# Altium PCB PCB1.PcbDoc
Units mm, origin at the board's own origin, x right, y up, seen from the top; angles counter-clockwise.
Board outline 65 x 56 mm, 4 copper layers (Top Copper, Top Ref, Bottom Ref, Bottom Copper), stack 1.586 mm thick; 113 components, 92 nets, 468 pads, 0 vias.
Unrouted connection lines stored in the file: 295.
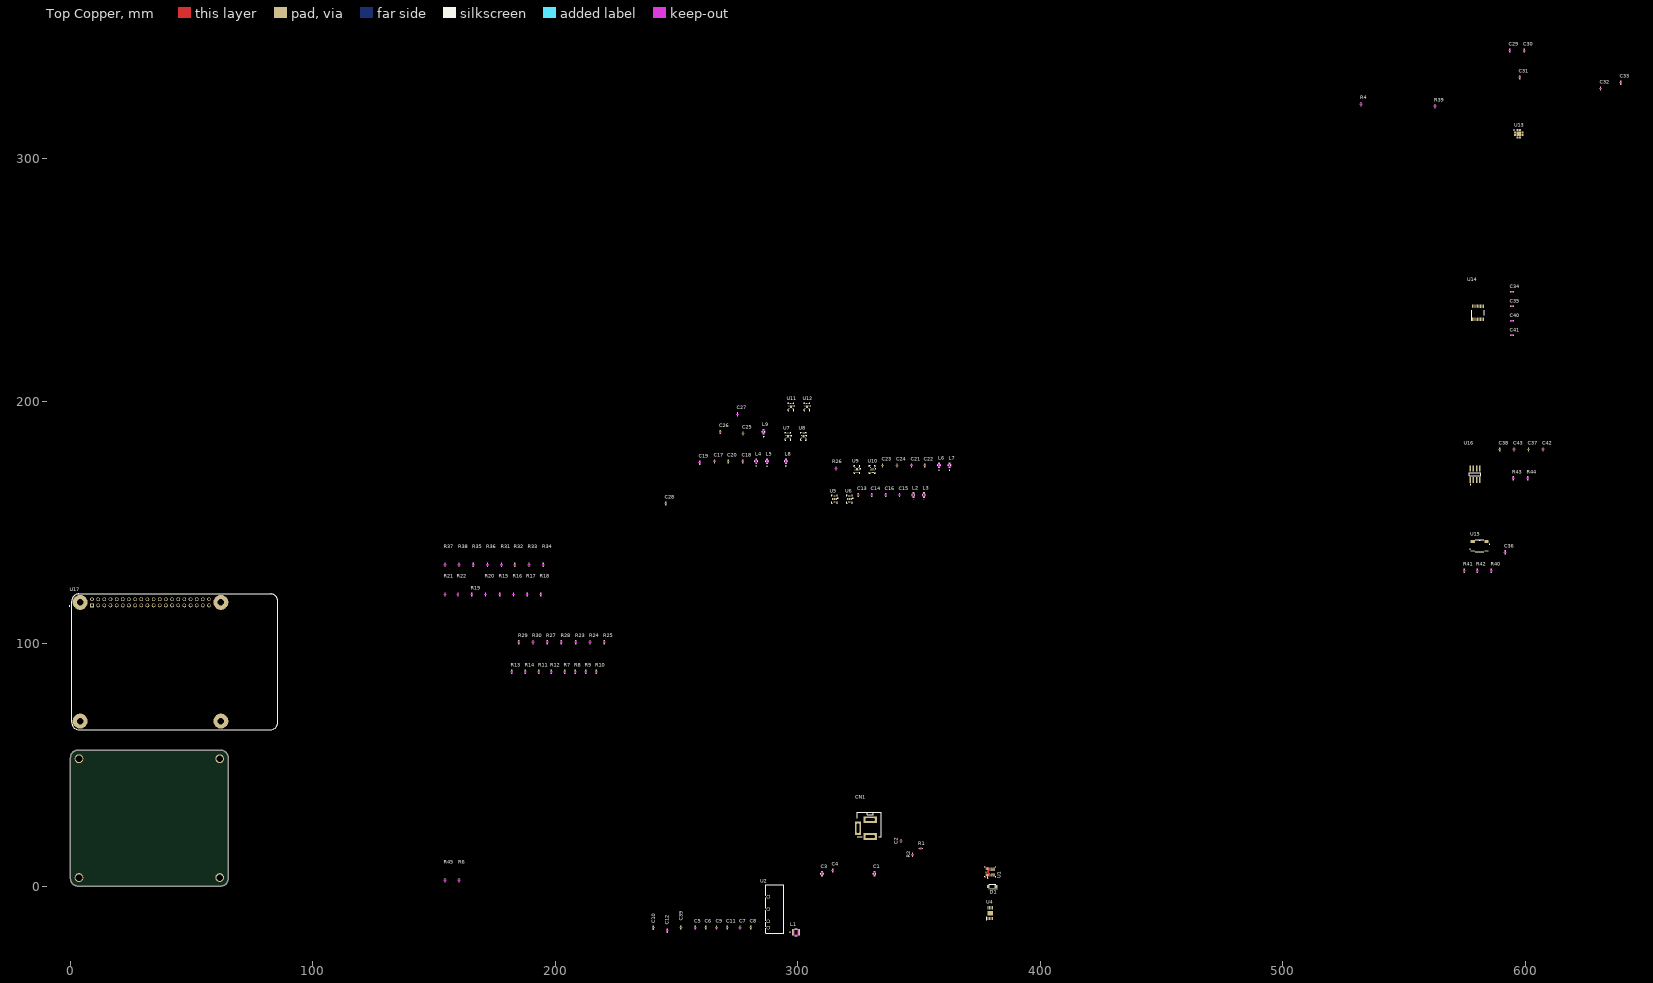
[diagram p0: Top Copper view]
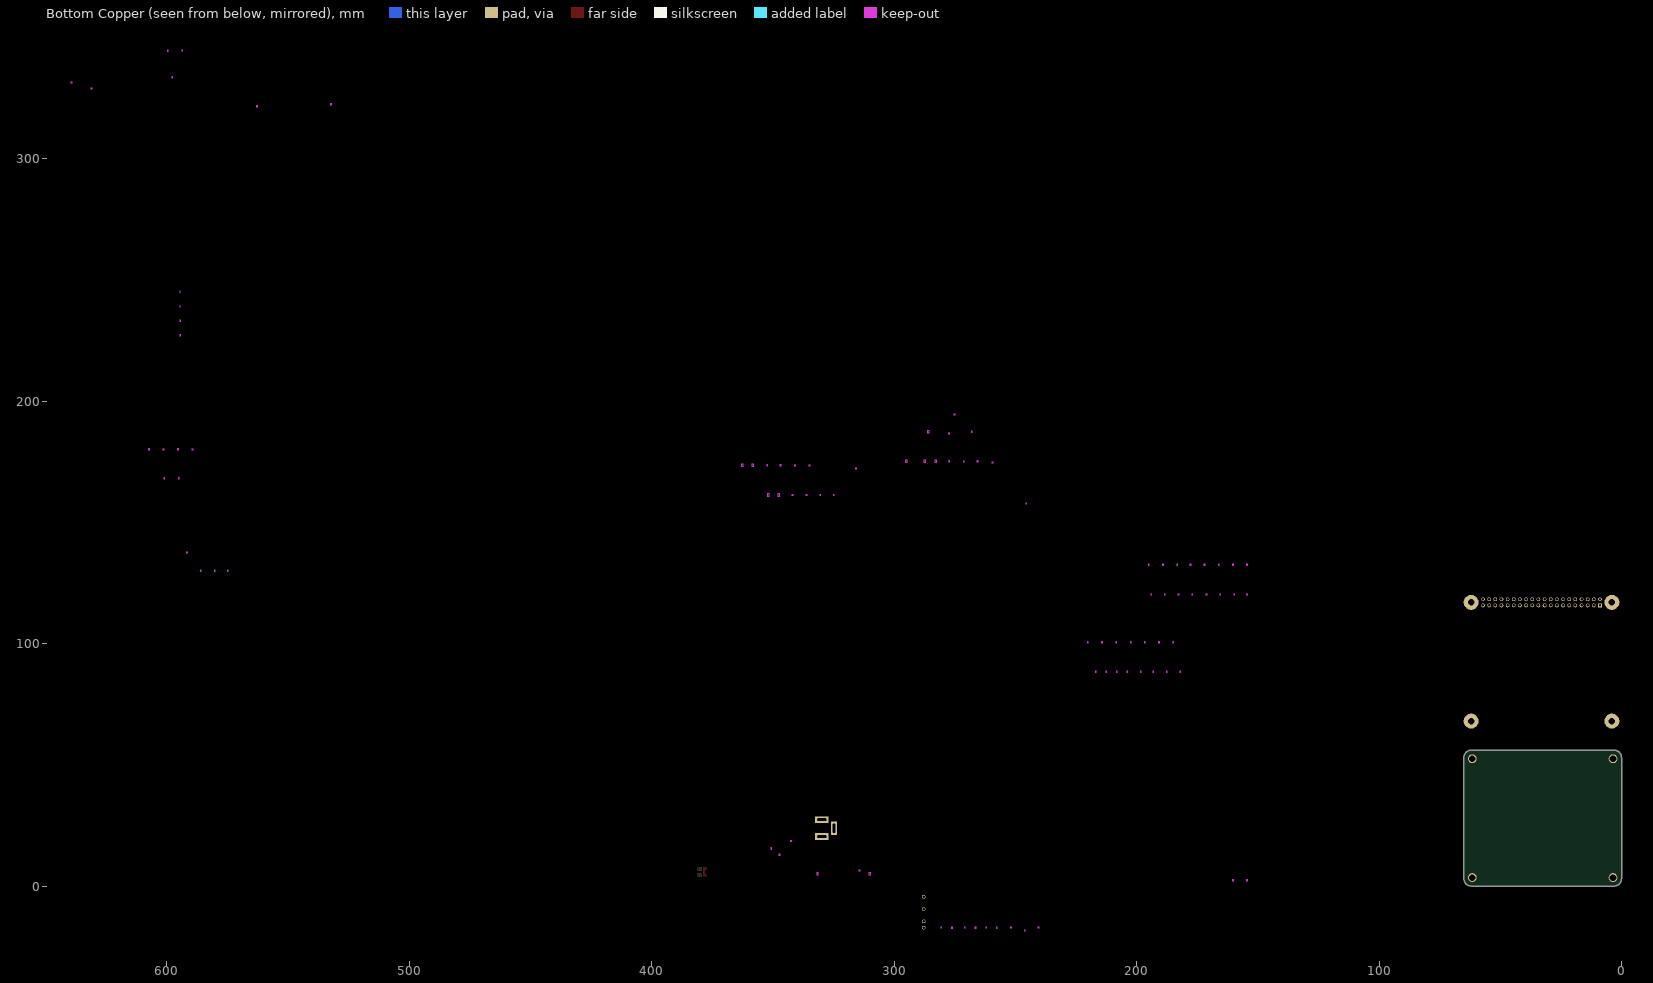
[diagram p1: Bottom Copper view, seen from below]
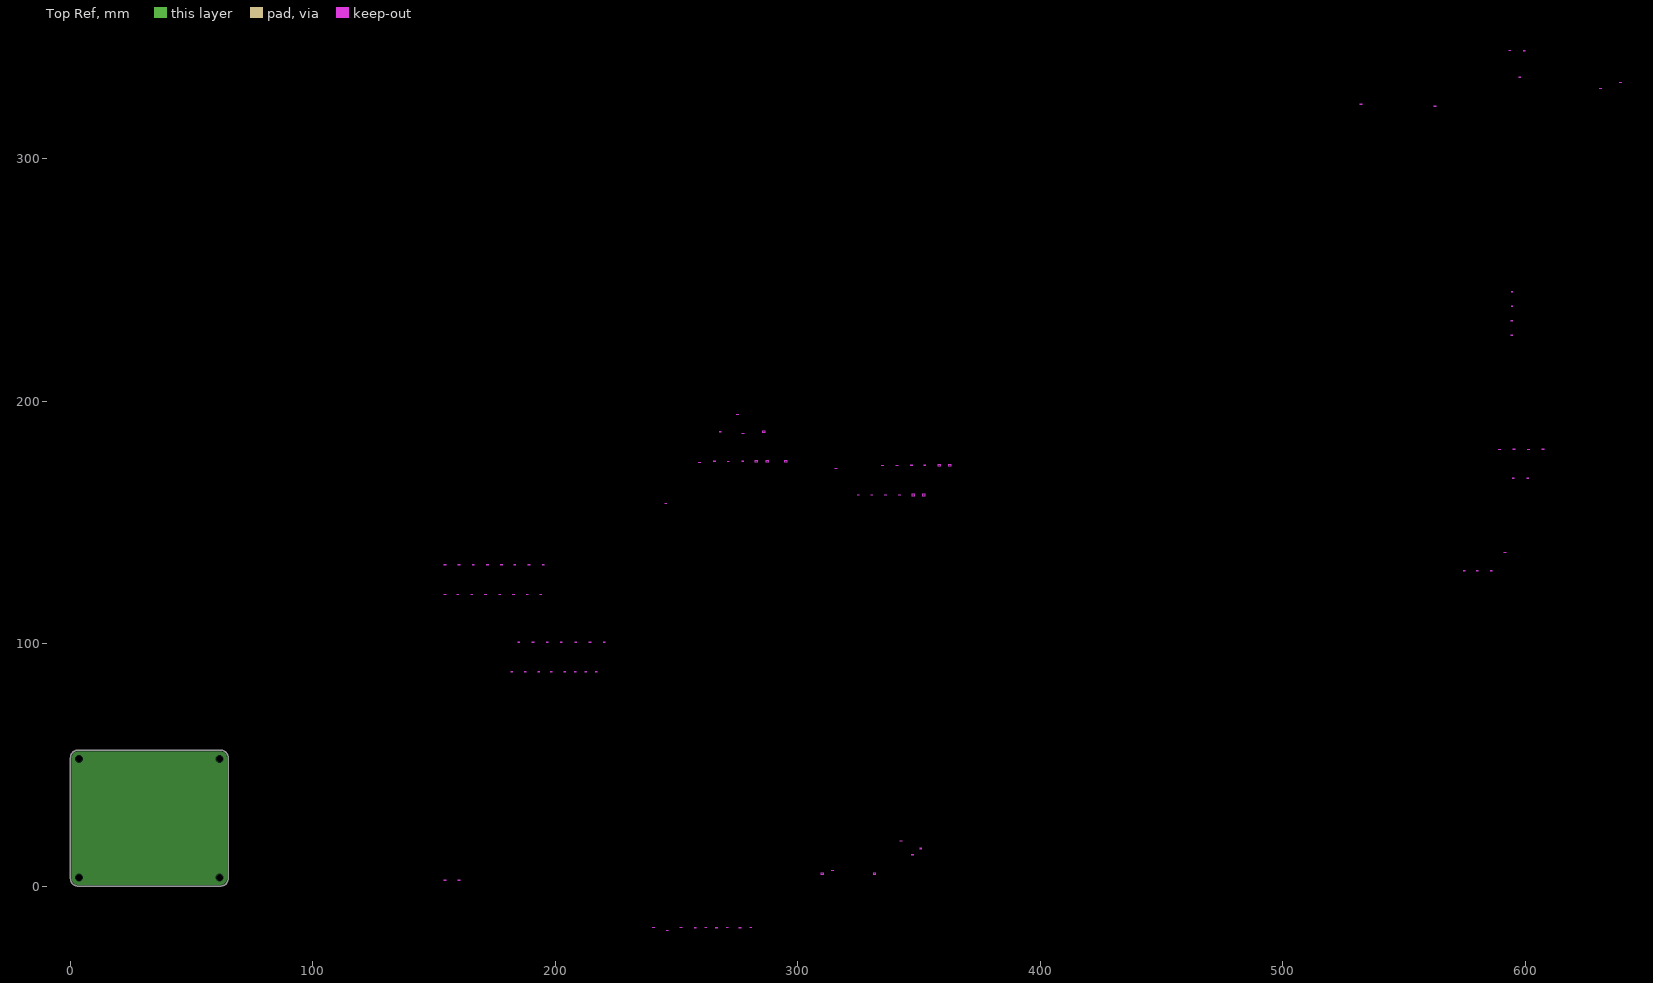
[diagram p2: Top Ref, clearances drawn from the general rule]
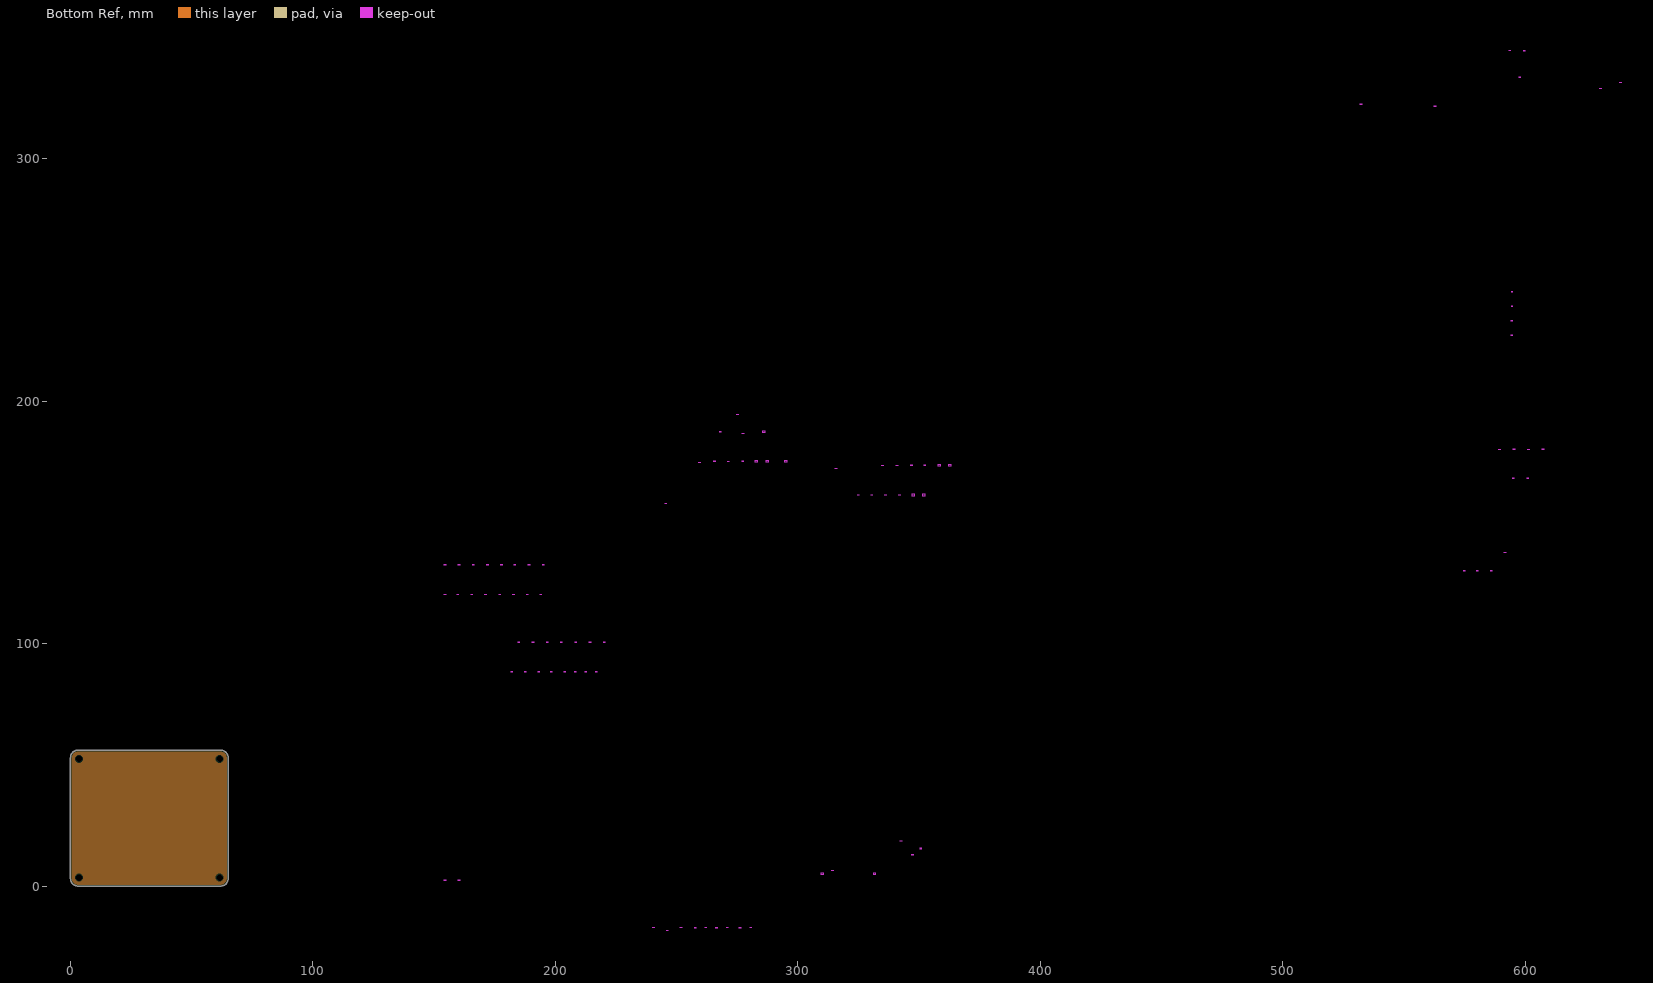
[diagram p3: Bottom Ref, clearances drawn from the general rule]

## Layer stack, top to bottom
Top Mask: solder mask 0.0305, Solder Resist, Dk 3.8
Top Copper: signal copper 0.035
Dielectric 1: prepreg 0.2104, 7628, Dk 4.4
Top Ref: plane copper 0.0152, net GND
Core: core 1.065, FR-4, Dk 4.6
Bottom Ref: plane copper 0.0152, net GND
Dielectric 2: prepreg 0.2104, 7628, Dk 4.4
Bottom Copper: signal copper 0.035
Bottom Mask: solder mask 0.0305, Solder Resist, Dk 3.8

## Board outline
0,3 0,53 cw(c3,53) 3,56 62,56 cw(c62,53) 65,53 65,3 cw(c62,3) 62,0 3,0 cw(c3,3)

## Design rules (kind name [scope] priority, off if disabled: settings)
BoardOutlineClearance [All] p1: gap=0.3 ignorepadtopadclearanceinfootprint=FALSE except(0.4: Arc-SplitBarrior Arc-SplitContinuation Track-SplitBarrior Track-SplitContinuation SMDPad-SplitBarrior SMDPad-SplitContinuation THPad-SplitBarrior THPad-SplitContinuation Via-SplitBarrior Via-SplitContinuation Fill-SplitBarrior Fill-SplitContinuation Poly-SplitBarrior Poly-SplitContinuation Region-SplitBarrior Region-SplitContinuation Text-SplitBarrior Text-SplitContinuation)
Clearance "Clearance Different Nets" [All] p1: gap=0.2 ignorepadtopadclearanceinfootprint=FALSE except(0: Arc-Region Track-Region SMDPad-Region THPad-Region Via-Region Fill-Region Poly-Region Region-Region; 0.25: Arc-Poly Track-Poly SMDPad-Poly THPad-Poly Via-Poly Fill-Poly Poly-Poly)
Clearance "Clearance Bottom Layer" [OnLayer('Bottom Layer')] p2: gap=0.2 ignorepadtopadclearanceinfootprint=TRUE except(0: Arc-Region Track-Region SMDPad-Region THPad-Region Via-Region Fill-Region Poly-Region Region-Region; 0.25: Arc-Poly Track-Poly SMDPad-Poly THPad-Poly Via-Poly Fill-Poly Poly-Poly)
Clearance "Clearance Top Layer" [OnLayer('Top Layer')] p3: gap=0.2 ignorepadtopadclearanceinfootprint=TRUE except(0: Arc-Region Track-Region SMDPad-Region THPad-Region Via-Region Fill-Region Poly-Region Region-Region; 0.3: Arc-Poly Track-Poly SMDPad-Poly THPad-Poly Via-Poly Fill-Poly Poly-Poly)
HoleSize [All] p1: absolutevalues=TRUE maxlimit=6.3 minlimit=0.2 maxpercent=80.000 minpercent=20.000
MatchedLengths [InNetClass('SDCard')] p1: tolerance=0.5 checknetsindiffpair=FALSE checkdiffpairvsdiffpair=TRUE checkxsignals=TRUE checkothers=TRUE
MinimumAnnularRing [All] p1: minimumring=0.13
MinimumSolderMaskSliver [All] p1: minsoldermaskwidth=0.1
PlaneClearance [All] p1: clearance=0.3
PlaneConnect [All] p1: pad.planeconnectstyle=Relief pad.reliefexpansion=0.508 pad.reliefentries=4 pad.reliefconductorwidth=0.254 pad.reliefairgap=0.254 via.planeconnectstyle=Direct via.reliefexpansion=0.508 via.reliefentries=4 via.reliefconductorwidth=0.254 via.reliefairgap=0.254
PolygonConnect PolygonConnect_1 [All] p1: thpad.connectstyle=Relief thpad.reliefconductorwidth=0.508 thpad.reliefentries=4 thpad.polygonreliefangle="90 Angle" thpad.airgapwidth=0.254 smdpad.connectstyle=Relief smdpad.reliefconductorwidth=0.508 smdpad.reliefentries=4 smdpad.polygonreliefangle="90 Angle" smdpad.airgapwidth=0.254 via.connectstyle=Direct via.reliefconductorwidth=0.508 via.reliefentries=4 via.polygonreliefangle="90 Angle" via.airgapwidth=0.254
RoutingCorners [All] p1: cornerstyle=Round minsetback=2.54 maxsetback=2.54
RoutingVias [All] p1: holewidth=0.5 width=1 viastyle="Through Hole" minholewidth=0.2 minwidth=0.35 maxholewidth=5 maxwidth=5
SilkToSilkClearance [All] p1: silktosilkclearance=0.1
SilkToSolderMaskClearance [IsPad] p1: minsilkscreentomaskgap=0.1 clearancetoexposedcopper=TRUE
SolderMaskExpansion Vias [IsVia] p1: expansion=0.102 istentingtop=TRUE
SolderMaskExpansion [All] p2: expansion=0.102 istentingtop=FALSE
UnRoutedNet [All] p1: checkbadconnections=TRUE
Width [All] p1: maxlimit=2.54 minlimit=0.089 preferedwidth=0.381
22 further rules are at their usual default settings.

## Classes and differential pairs
component class "[8] I2C_Control": C36 C37 C38 C42 C43 R40 R41 R42 R43 R44 U15 U16
component class "[7] ADC_Acquisition": C29 C30 C31 C32 C33 C34 C35 C40 C41 R4 R39 U13 U14
component class "[6] AnalogChannels_5_6_7_8": C21 C22 C23 C24 C25 C26 C27 C28 D5 D6 D7 D8 L6 L7 L8 L9 R23 R24 R25 R26 R27 R28 R29 R30 R31 R32 R33 R34 R35 R36 R37 R38 U9 U10 U11 U12
component class "[5] AnalogChannels_1_2_3_4": C13 C14 C15 C16 C17 C18 C19 C20 D D2 D3 D4 L2 L3 L4 L5 R7 R8 R9 R10 R11 R12 R13 R14 R15 R16 R17 R18 R19 R20 R21 R22 U5 U6 U7 U8
component class "[4] PowerManagement": C1 C2 C3 C4 C5 C6 C7 C8 C9 C10 C11 C12 C39 CN1 D1 L1 R1 R2 U1 U2 U4
component class "[3] TopLevel": R6 R45 U17

## Components (designator, comment, footprint, x,y, rotation, side; value= is the part's Value field where it differs from the comment)
C1 "CL10A226MO7JZNC" CAP_CL10_SAM 331.597,5.093 r90 top value=22uF
C2 "GCM155R71H104KE02D" CAP_GCM15_MUR 342.519,18.542 r90 top value=100nF
C3 "CL10A106MA8NRNC" CAP_CL10_SAM 310.007,5.093 r90 top value="10 µF"
C4 "GCM155R71H104KE02D" CAP_GCM15_MUR 314.325,6.363 r90 top value=100nF
C5 "GRM155R61A102KA01D" G-155_MUR 257.683,-17.132 r90 top value=10uF
C6 "GCM155R71H104KE02D" CAP_GCM15_MUR 262.001,-17.132 r90 top value=100nF
C7 "GRM155R61A102KA01D" G-155_MUR 276.098,-17.132 r90 top value=10uF
C8 "GCM155R71H104KE02D" CAP_GCM15_MUR 280.543,-17.132 r90 top value=100nF
C9 "GRM155R61A102KA01D" G-155_MUR 266.446,-17.132 r90 top value=10uF
C10 "GRM155Z71A105KE01D" CAP_GRM155Z_MUR 240.411,-17.132 r90 top value=1uF
C11 "GCM155R71H104KE02D" CAP_GCM15_MUR 270.891,-17.132 r90 top value=100nF
C12 "GRM155R61A475MEAAD" CAP_GRM1555_1XP5_MUR 246.126,-18.402 r90 top value=4.7uF
C13 "GCM155R71H104KE02D" CAP_GCM15_MUR 324.866,161.29 r90 top value=100nF
C14 "GRM155R61A102KA01D" G-155_MUR 330.454,161.29 r90 top value=10uF
C15 "GRM155R61A102KA01D" G-155_MUR 341.884,161.29 r90 top value=10uF
C16 "GCM155R71H104KE02D" CAP_GCM15_MUR 336.169,161.29 r90 top value=100nF
C17 "GRM155R61A102KA01D" G-155_MUR 265.557,175.133 r90 top value=10uF
C18 "GRM155R61A102KA01D" G-155_MUR 277.241,175.133 r90 top value=10uF
C19 "GCM155R71H104KE02D" CAP_GCM15_MUR 259.461,174.625 r90 top value=100nF
C20 "GCM155R71H104KE02D" CAP_GCM15_MUR 271.272,175.133 r90 top value=100nF
C21 "GRM155R61A102KA01D" G-155_MUR 346.837,173.482 r90 top value=10uF
C22 "GRM155R61A102KA01D" G-155_MUR 352.298,173.482 r90 top value=10uF
C23 "GCM155R71H104KE02D" CAP_GCM15_MUR 334.899,173.482 r90 top value=100nF
C24 "GCM155R71H104KE02D" CAP_GCM15_MUR 340.868,173.482 r90 top value=100nF
C25 "GRM155R61A102KA01D" G-155_MUR 277.368,186.652 r90 top value=10uF
C26 "GRM155R61A102KA01D" G-155_MUR 267.97,187.325 r90 top value=10uF
C27 "GCM155R71H104KE02D" CAP_GCM15_MUR 275.082,194.564 r90 top value=100nF
C28 "GCM155R71H104KE02D" CAP_GCM15_MUR 245.491,157.734 r90 top value=100nF
C29 "GCM155R71H104KE02D" CAP_GCM15_MUR 593.598,344.551 r90 top value=100nF
C30 "GRM155R61A102KA01D" G-155_MUR 599.567,344.551 r90 top value=10uF
C31 "GRM155R61A102KA01D" G-155_MUR 597.662,333.502 r90 top value=10uF
C32 "GCM155R71H104KE02D" CAP_GCM15_MUR 631,328.979 r90 top value=100nF
C33 "GRM155Z71A105KE01D" CAP_GRM155Z_MUR 639.318,331.343 r90 top value=1uF
C34 "GCM155R71H104KE02D" CAP_GCM15_MUR 594.487,245.11 r0 top value=100nF
C35 "GCM155R71H104KE02D" CAP_GCM15_MUR 594.487,239.141 r0 top value=100nF
C36 "GCM155R71H104KE02D" CAP_GCM15_MUR 591.693,137.655 r90 top value=100nF
C37 "GCM155R71H104KE02D" CAP_GCM15_MUR 601.345,180.086 r90 top value=100nF
C38 "GCM155R71H104KE02D" CAP_GCM15_MUR 589.407,180.086 r90 top value=100nF
C39 "GCM155R71H104KE02D" CAP_GCM15_MUR 251.714,-17.132 r90 top value=100nF
C40 "GRM155R61A102KA01D" G-155_MUR 594.487,233.172 r0 top value=10uF
C41 "GRM155R61A102KA01D" G-155_MUR 594.487,227.203 r0 top value=10uF
C42 "GRM155R61A102KA01D" G-155_MUR 607.314,180.086 r90 top value=10uF
C43 "GRM155R61A102KA01D" G-155_MUR 595.376,180.086 r90 top value=10uF
CN1 "JDCN2.0" "JACK - P4" 329.819,23.876 r180 top
D1 "SS34FA" SODFL3618X143N 380.111,-0.254 r180 top
L1 "BRL3225T470K" IND_TAIYO_BRL3225_TAY 299.212,-19.037 r0 top value=47uH
L2 "MPZ1608S601ATA00" IND_1608_TDK 347.599,161.29 r90 top
L3 "MPZ1608S601ATA00" IND_1608_TDK 351.917,161.29 r90 top
L4 "MPZ1608S601ATA00" IND_1608_TDK 282.829,175.199 r90 top
L5 "MPZ1608S601ATA00" IND_1608_TDK 287.274,175.133 r90 top
L6 "MPZ1608S601ATA00" IND_1608_TDK 358.267,173.482 r90 top
L7 "MPZ1608S601ATA00" IND_1608_TDK 362.585,173.482 r90 top
L8 "MPZ1608S601ATA00" IND_1608_TDK 295.021,175.26 r90 top
L9 "MPZ1608S601ATA00" IND_1608_TDK 285.877,187.325 r90 top
R1 "RC0402FR-07220KL" RC0402N_YAG 350.647,15.494 r180 top value=220k
R2 "RC0402FR-0730KL" RC0402N_YAG 347.218,12.954 r90 top value=30k
R4 "RC0402FR-075K1L" RC0402N_YAG 532.257,322.453 r90 top value=5.1k
R6 "RC0402FR-075K1L" RC0402N_YAG 160.274,2.413 r90 top value=5.1k
R7 "RC0402FR-075K1L" RC0402N_YAG 203.835,88.392 r90 top value=5.1k
R8 "RC0402FR-075K1L" RC0402N_YAG 208.153,88.392 r90 top value=5.1k
R9 "RC0402FR-075K1L" RC0402N_YAG 212.471,88.392 r90 top value=5.1k
R10 "RC0402FR-075K1L" RC0402N_YAG 216.789,88.392 r90 top value=5.1k
R11 "RC0402FR-075K1L" RC0402N_YAG 193.167,88.392 r90 top value=5.1k
R12 "RC0402FR-075K1L" RC0402N_YAG 198.247,88.392 r90 top value=5.1k
R13 "RC0402FR-075K1L" RC0402N_YAG 181.991,88.392 r90 top value=5.1k
R14 "RC0402FR-075K1L" RC0402N_YAG 187.579,88.392 r90 top value=5.1k
R15 "RC0402FR-075K1L" RC0402N_YAG 177.038,120.269 r90 top value=5.1k
R16 "RC0402FR-075K1L" RC0402N_YAG 182.753,120.269 r90 top value=5.1k
R17 "RC0402FR-075K1L" RC0402N_YAG 188.341,120.269 r90 top value=5.1k
R18 "RC0402FR-075K1L" RC0402N_YAG 193.929,120.269 r90 top value=5.1k
R19 "RC0402FR-075K1L" RC0402N_YAG 165.481,120.269 r90 top value=5.1k
R20 "RC0402FR-075K1L" RC0402N_YAG 171.196,120.269 r90 top value=5.1k
R21 "RC0402FR-075K1L" RC0402N_YAG 154.432,120.269 r90 top value=5.1k
R22 "RC0402FR-075K1L" RC0402N_YAG 159.766,120.269 r90 top value=5.1k
R23 "RC0402FR-075K1L" RC0402N_YAG 208.407,100.584 r90 top value=5.1k
R24 "RC0402FR-075K1L" RC0402N_YAG 214.249,100.584 r90 top value=5.1k
R25 "RC0402FR-075K1L" RC0402N_YAG 220.091,100.584 r90 top value=5.1k
R26 "RC0402FR-075K1L" RC0402N_YAG 315.722,172.212 r90 top value=5.1k
R27 "RC0402FR-075K1L" RC0402N_YAG 196.596,100.584 r90 top value=5.1k
R28 "RC0402FR-075K1L" RC0402N_YAG 202.438,100.584 r90 top value=5.1k
R29 "RC0402FR-075K1L" RC0402N_YAG 184.912,100.584 r90 top value=5.1k
R30 "RC0402FR-075K1L" RC0402N_YAG 190.754,100.584 r90 top value=5.1k
R31 "RC0402FR-075K1L" RC0402N_YAG 177.8,132.461 r90 top value=5.1k
R32 "RC0402FR-075K1L" RC0402N_YAG 183.261,132.461 r90 top value=5.1k
R33 "RC0402FR-075K1L" RC0402N_YAG 189.103,132.461 r90 top value=5.1k
R34 "RC0402FR-075K1L" RC0402N_YAG 194.945,132.461 r90 top value=5.1k
R35 "RC0402FR-075K1L" RC0402N_YAG 166.116,132.461 r90 top value=5.1k
R36 "RC0402FR-075K1L" RC0402N_YAG 171.958,132.461 r90 top value=5.1k
R37 "RC0402FR-075K1L" RC0402N_YAG 154.432,132.461 r90 top value=5.1k
R38 "RC0402FR-075K1L" RC0402N_YAG 160.274,132.461 r90 top value=5.1k
R39 "RC0402FR-0710KL" RC0402N_YAG 562.737,321.564 r90 top value=10k
R40 "RC0402FR-075K1L" RC0402N_YAG 585.978,130.048 r90 top value=5.1k
R41 "RC0402FR-071K5L" RC0402N_YAG 574.802,130.048 r90 top value=1.5k
R42 "RC0402FR-071K5L" RC0402N_YAG 580.136,130.048 r90 top value=1.5k
R43 "RC0402FR-071K5L" RC0402N_YAG 594.995,168.148 r90 top value=1.5k
R44 "RC0402FR-071K5L" RC0402N_YAG 600.964,168.148 r90 top value=1.5k
R45 "RC0402FR-075K1L" RC0402N_YAG 154.432,2.413 r90 top value=5.1k
U1 "TPSM863252RDXR" RDX0007A-MFG 379.476,5.842 r90 top
U2 "B0505S-2WR3" B_S-2WR2_MNS 287.782,-17.132 r90 top
U4 "TLV76750DGNR" SOP65P490X110-9N 379.349,-11.176 r90 top
U5 "ADL5308ACCZ" CC-14-4_ADI 315.087,159.639 r0 top
U6 "ADL5308ACCZ" CC-14-4_ADI 321.31,159.639 r0 top
U7 "ADL5308ACCZ" CC-14-4_ADI 295.91,185.547 r0 top
U8 "ADL5308ACCZ" CC-14-4_ADI 302.26,185.547 r0 top
U9 "ADL5308ACCZ" CC-14-4_ADI 324.358,171.831 r0 top
U10 "ADL5308ACCZ" CC-14-4_ADI 330.708,171.831 r0 top
U11 "ADL5308ACCZ" CC-14-4_ADI 297.18,197.739 r0 top
U12 "ADL5308ACCZ" CC-14-4_ADI 303.784,197.739 r0 top
U13 "ADS7066IRTER" QFN50P300X300X80-17N-D 597.281,310.261 r0 top
U14 "ISO7762FDBQR" DBQ0016A_N 580.517,236.474 r90 top
U15 "PCA9548ADGVR" DGV24 581.152,140.335 r0 top
U16 "ISO1640BDR" D0008B-IPC_A 579.247,169.799 r90 top
U17 "SC0194(9)" MODULE_SC0194(9) 43,92.5 r0 top

## Footprints (in the part's own frame and the unit in brackets; to place one, negate y for a bottom-side part, rotate by r counter-clockwise, add the part's x,y. Pads: shape width x height; smd on the part's side, far side on the other; paste and mask are expansions set on the pad)
B_S-2WR2_MNS [mil]
  round 59 hole 39 paste-99999 mask+0: 1(0,0) 2(100,0) 4(300,0) 6(500,0)
  silkscreen extent -92,-248 692,40, body extent -137,-139 637,139, height 400
CAP_CL10_SAM [mm]
  rect 0.656x0.8 smd paste+0 mask+0: 1(-0.828,0) 2(0.828,0)
  Top Copper keep-out region: -0.449,-0.349 -0.449,0.349 0.449,0.349 0.449,-0.349
  Keep-Out Layer region: -0.449,-0.4 -0.449,0.4 0.449,0.4 0.449,-0.4
  silkscreen extent -0.19,-0.53 0.19,0.53, body extent -0.8,-0.4 0.8,0.4, height 0.9
CAP_GCM15_MUR [mil]
  rect 28x22 smd paste+0 mask+0: 1(-20.5,0) 2(20.5,0)
  Top Copper keep-out region: -4.5,-9 -4.5,9 4.5,9 4.5,-9
  Keep-Out Layer region: -4.5,-11 -4.5,11 4.5,11 4.5,-11
  body extent -21,-11 21,11, height 22
CAP_GRM155Z_MUR [mil]
  rect 28x24 smd paste+0 mask+0: 1(-21.5,0) 2(21.5,0)
  Top Copper keep-out region: -5.5,-10 -5.5,10 5.5,10 5.5,-10
  Keep-Out Layer region: -5.5,-12 -5.5,12 5.5,12 5.5,-12
  body extent -21,-12 21,12, height 24
CAP_GRM1555_1XP5_MUR [mil]
  rect 28x22 smd paste+0 mask+0: 1(-20.5,0) 2(20.5,0)
  Top Copper keep-out region: -4.5,-9 -4.5,9 4.5,9 4.5,-9
  Keep-Out Layer region: -4.5,-11 -4.5,11 4.5,11 4.5,-11
  body extent -21,-11 21,11, height 22
CC-14-4_ADI [mil]
  rect 12x10 smd paste+0 mask+0: 1(-31.5,29.53) 2(-31.5,9.84) 3(-31.5,-9.84) 4(-31.5,-29.53) 8(31.5,-29.53) 9(31.5,-9.84) 10(31.5,9.84) 11(31.5,29.53)
  rect 10x12 smd paste+0 mask+0: 5(-19.68,-51) 6(0,-51) 7(19.68,-51) 12(19.68,51) 13(0,51) 14(-19.68,51)
  rect 8x39 smd paste+0 mask+0: 15(-7.87,0)
  rect 12x39 smd paste+0 mask+0: 16(9.84,0)
  silkscreen extent -46,-66 58,66, body extent -41,-61 41,61, height 29
D0008B-IPC_A [mm]
  rect 2.469x0.622 smd paste+0 mask+0: 1(-2.414,1.905) 2(-2.414,0.635) 3(-2.414,-0.635) 4(-2.414,-1.905) 5(2.414,-1.905) 6(2.414,-0.635) 7(2.414,0.635) 8(2.414,1.905)
  silkscreen extent -4.32,-2.45 0.68,2.45
DBQ0016A_N [mm]
  oval 1.45x0.4 smd paste+0 mask+0.051: 1(-2.725,2.222) 2(-2.725,1.587) 3(-2.725,0.952) 4(-2.725,0.317) 5(-2.725,-0.318) 6(-2.725,-0.953) 7(-2.725,-1.588) 8(-2.725,-2.222) 9(2.725,-2.222) 10(2.725,-1.587) 11(2.725,-0.952) 12(2.725,-0.317) 13(2.725,0.318) 14(2.725,0.953) 15(2.725,1.588) 16(2.725,2.222)
  silkscreen extent -3.35,-2.5 1.1,2.68
DGV24 [mil]
  rect 66x9 smd paste-33 mask-33: 1(-111,86.61) 2(-111,70.87) 3(-111,55.12) 4(-111,39.37) 5(-111,23.62) 6(-111,7.87) 7(-111,-7.87) 8(-111,-23.62) 9(-111,-39.37) 10(-111,-55.12) 11(-111,-70.87) 12(-111,-86.61) 13(111,-86.61) 14(111,-70.87) 15(111,-55.12) 16(111,-39.37) 17(111,-23.62) 18(111,-7.87) 19(111,7.87) 20(111,23.62) 21(111,39.37) 22(111,55.12) 23(111,70.87) 24(111,86.61)
  silkscreen extent -164,-100 164,100, body extent -130,-101 130,101, height 47
G-155_MUR [mil]
  rect 24x20 smd paste+0 mask+0: 1(-21.5,0) 2(21.5,0)
  Top Copper keep-out region: -7.5,-8 -7.5,8 7.5,8 7.5,-8
  Keep-Out Layer region: -7.5,-10 -7.5,10 7.5,10 7.5,-10
  body extent -19,-10 19,10, height 22
IND_1608_TDK [mm]
  rect 0.656x0.8 smd paste+0 mask+0: 1(-0.828,0) 2(0.828,0)
  Top Copper keep-out region: -0.449,-0.349 -0.449,0.349 0.449,0.349 0.449,-0.349
  Keep-Out Layer region: -0.449,-0.4 -0.449,0.4 0.449,0.4 0.449,-0.4
  silkscreen extent -2.07,-0.53 0.19,0.53, body extent -0.8,-0.4 0.8,0.4, height 0.8
IND_TAIYO_BRL3225_TAY [mil]
  rect 33.5x106 smd paste+0 mask+0: 1(-50.25,0) 2(50.25,0)
  Top Copper keep-out region: -31.5,-51 -31.5,51 31.5,51 31.5,-51
  silkscreen extent -100,-58 21,58, body extent -67,-53 67,53, height 68
"JACK - P4" [mm]
  rect 5.6x2.8 hole 1 slot 3.8 at 0 deg: 1(0,3.5) 2(0,-3.5)
  rect 2.4x5.6 hole 1 slot 3.8 at 90 deg: 3(5,0)
  silkscreen extent -4.47,-6.5 5.28,3.47, body extent -4.5,-11.05 5.3,3.45, height 11
MODULE_SC0194(9) [mil]
  rect 60x60 / inner round 60 / far side rect 60x60 hole 40 mask+4.02: 1(-1343.7,914.57)
  round 60 hole 40 mask+4.02: 2(-1343.7,1014.57) 3(-1243.7,914.57) 4(-1243.7,1014.57) 5(-1143.7,914.57) 6(-1143.7,1014.57) 7(-1043.7,914.57) 8(-1043.7,1014.57) 9(-943.7,914.57) 10(-943.7,1014.57) 11(-843.7,914.57) 12(-843.7,1014.57) 13(-743.7,914.57) 14(-743.7,1014.57) 15(-643.7,914.57) 16(-643.7,1014.57) 17(-543.7,914.57) 18(-543.7,1014.57) 19(-443.7,914.57) 20(-443.7,1014.57) 21(-343.7,914.57) 22(-343.7,1014.57) 23(-243.7,914.57) 24(-243.7,1014.57) 25(-143.7,914.57) 26(-143.7,1014.57) 27(-43.7,914.57) 28(-43.7,1014.57) 29(56.3,914.57) 30(56.3,1014.57) 31(156.3,914.57) 32(156.3,1014.57) 33(256.3,914.57) 34(256.3,1014.57) 35(356.3,914.57) 36(356.3,1014.57) 37(456.3,914.57) 38(456.3,1014.57) 39(556.3,914.57) 40(556.3,1014.57)
  round 244.09 hole 108.27 mask+4.02: S1(-1535.43,964.57) S2(748.03,964.57) S3(748.03,-964.57) S4(-1535.43,-964.57)
  silkscreen extent -1713,-1102 1673,1102, body extent -1673,-1181 1783,1102, height 689
QFN50P300X300X80-17N-D [mm]
  rect 0.8x0.3 smd: 1(-1.5,0.75) 2(-1.5,0.25) 3(-1.5,-0.25) 4(-1.5,-0.75) 9(1.5,-0.75) 10(1.5,-0.25) 11(1.5,0.25) 12(1.5,0.75)
  rect 0.3x0.8 smd: 5(-0.75,-1.5) 6(-0.25,-1.5) 7(0.25,-1.5) 8(0.75,-1.5) 13(0.75,1.5) 14(0.25,1.5) 15(-0.25,1.5) 16(-0.75,1.5)
  rect 1.75x1.75 smd: 17(0,0)
  silkscreen extent -2.02,1.38 -1.77,1.62
RC0402N_YAG [mil]
  rect 26x20 smd paste+0 mask+0: 1(-22,0) 2(22,0)
  Top Copper keep-out region: -7,-8 -7,8 7,8 7,-8
  Keep-Out Layer region: -7,-10 -7,10 7,10 7,-10
  body extent -21,-10 21,10, height 28
RDX0007A-MFG [mm]
  round 1.025 smd paste-0.5 mask-0.495: 1(-1.312,1.312)
  rect 1.5x2.3 smd paste-1.137 mask-1.143: 2(-1.15,-0.675) 3(1.15,-0.675)
  round 0.991 smd paste-0.483 mask-0.483: 4(1.281,1.276)
  rect 0.22x0.6 smd paste+0 mask-0.292: 5(0.5,1.9) 6(0,1.9) 7(-0.5,1.9)
  round 0.5 hole 0.203 paste-2539.97 mask-0.241: 8(-1.65,0) 9(-1.65,-0.665) 10(-1.651,-1.397) 11(1.65,0) 12(1.65,-0.665) 13(1.651,-1.397) 14(-0.762,0) 15(-0.762,-0.635) 16(-0.762,-1.397) 17(0.762,0) 18(0.762,-0.635) 19(0.762,-1.397)
  Top Copper region: -1.9,0.825 -1.9,1.8 -1.8,1.9 -0.925,1.9 -0.825,1.8 -0.825,1.634 -0.796,1.563 -0.507,1.274 -0.436,1.245 -0.39,1.245 -0.29,1.145 -0.29,0.825 -0.39,0.725 -1.8,0.725
  Top Copper region: 1.9,0.825 1.9,1.8 1.8,1.9 0.925,1.9 0.825,1.8 0.825,1.634 0.796,1.563 0.507,1.274 0.436,1.245 0.39,1.245 0.29,1.145 0.29,0.825 0.39,0.725 1.8,0.725
  Top Copper region: -0.2,1.295 -0.2,0.675 0.2,0.675 0.2,1.295
  silkscreen extent -2.52,-2.17 2.07,2.37
SODFL3618X143N [mm]
  rect 1.12x1.22 smd: 1(-1.55,0) 2(1.55,0)
  silkscreen extent -2.11,-0.9 1.4,0.9
SOP65P490X110-9N [mm]
  rect 1.4x0.45 smd: 1(-2.2,0.975) 2(-2.2,0.325) 3(-2.2,-0.325) 4(-2.2,-0.975) 5(2.2,-0.975) 6(2.2,-0.325) 7(2.2,0.325) 8(2.2,0.975)
  rect 1.846x2.15 smd: 9(0,0)
  silkscreen extent -2.9,1.55 -1.5,1.55

## Part data
C1: "CAP; SMT (0603); 22UF; 20%; 16V; X5R; CERAMIC", Manufacturer_Name=Samsung, Copyright="Copyright (C) 2026 Ultra Librarian. All rights reserved.", Manufacturer_Part_Number=CL10A226MO7JZNC
C2 C4 C5 C6 C7 C8 C9 C10 C11 C12 C13 C14 C15 C16 C17 C18 C19 C20 C21 C22 C23 C24 C25 C26 C27 C28 C29 C30 C31 C32 C33 C34 C35 C36 C37 C38 C39 C40 C41 C42 C43: "Description", Manufacturer_Name=Murata
  C2 C4 C6 C8 C11 C13 C16 C19 C20 C23 C24 C27 C28 C29 C32 C34 C35 C36 C37 C38 C39: Copyright="Copyright (C) 2026 Ultra Librarian. All rights reserved.", Manufacturer_Part_Number=GCM155R71H104KE02D
  C5 C7 C9 C14 C15 C17 C18 C21 C22 C25 C26 C30 C31 C40 C41 C42 C43: Copyright="Copyright (C) 2026 Ultra Librarian. All rights reserved.", Manufacturer_Part_Number=GRM155R61A102KA01D
  C10 C33: Copyright="Copyright (C) 2025 Ultra Librarian. All rights reserved.", Manufacturer_Part_Number=GRM155Z71A105KE01D
  C12: Copyright="Copyright (C) 2025 Ultra Librarian. All rights reserved.", Manufacturer_Part_Number=GRM155R61A475MEAAD
C3: "CAP; SMT (0603); 10UF; 20%; 25V; X5R; CERAMIC", Manufacturer_Name=Samsung, Copyright="Copyright (C) 2025 Ultra Librarian. All rights reserved.", Manufacturer_Part_Number=CL10A106MA8NRNC
CN1: "Conector Fonte. JDCN2.0"
D1: "UL Flammability 94V-0 Classification; MSL 1 per J-STD-020; Low Power Loss, High Efficiency; Guard Ring for Overvoltage Protection; RoHS Compliant / Green Molding Compound; High Surge Current Capability; NRVB Prefix for Automotive and Other Applications Requiring Unique Site and Control Change Requirements; AECQ101 Qualified and PPAP Capable", Manufacturer_Name=onsemi, Mouser Part Number=512-SS34FA, Arrow Part Number=SS34FA, Arrow Price/Stock=https://www.arrow.com/en/products/ss34fa/on-semiconductor?utm_currency=USD&region=nac, Datasheet Link=https://www.onsemi.com/pub/Collateral/SS36FA-D.PDF, Geometry.Height=1.43mm, Manufacturer_Part_Number=SS34FA, Mouser Price/Stock=https://www.mouser.co.uk/ProductDetail/onsemi-Fairchild/SS34FA?qs=R26iFe%2FkX%2FK1QUwZdCmBBw%3D%3D
L1: "Description", Manufacturer_Name="TAIYO YUDEN", Copyright="Copyright (C) 2025 Ultra Librarian. All rights reserved.", Manufacturer_Part_Number=BRL3225T470K
L2 L3 L4 L5 L6 L7 L8 L9: "INDUCTOR; SMT (0603); FERRITE-BEAD; 600; TOL=+/-25%; 1A; -55 DEGC TO +125 DEGC", Manufacturer_Name=TDK, Copyright="Copyright (C) 2026 Ultra Librarian. All rights reserved.", Manufacturer_Part_Number=MPZ1608S601ATA00
R1: "No Description Available", Manufacturer_Name=Yageo, Copyright="Copyright (C) 2026 Ultra Librarian. All rights reserved.", Manufacturer_Part_Number=RC0402FR-07220KL
R2 R4 R6 R7 R8 R9 R10 R11 R12 R13 R14 R15 R16 R17 R18 R19 R20 R21 R22 R23 R24 R25 R26 R27 R28 R29 R30 R31 R32 R33 R34 R35 R36 R37 R38 R40 R41 R42 R43 R44 R45: "Description", Manufacturer_Name=Yageo
  R2: Copyright="Copyright (C) 2026 Ultra Librarian. All rights reserved.", Manufacturer_Part_Number=RC0402FR-0730KL
  R4 R6 R7 R8 R9 R10 R11 R12 R13 R14 R15 R16 R17 R18 R19 R20 R21 R22 R23 R24 R25 R26 R27 R28 R29 R30 R31 R32 R33 R34 R35 R36 R37 R38 R40 R45: Copyright="Copyright (C) 2025 Ultra Librarian. All rights reserved.", Manufacturer_Part_Number=RC0402FR-075K1L, Supplier=Digikey
  R41 R42 R43 R44: Copyright="Copyright (C) 2025 Ultra Librarian. All rights reserved.", Manufacturer_Part_Number=RC0402FR-071K5L, Supplier=Digikey
R39: "RES; SMT (0402); 10K; 1%; +/-100PPM/DEGC; 0.0630W", Manufacturer_Name=Yageo, Copyright="Copyright (C) 2025 Ultra Librarian. All rights reserved.", Manufacturer_Part_Number=RC0402FR-0710KL, Supplier=Digikey
U1: "3-V to 17-V input voltage, 3-A Eco-mode synchronous buck module 7-QFN-FCMOD -40 to 125", Manufacturer_Name="Texas Instruments", Copyright="Copyright (C) 2025 Ultra Librarian. All rights reserved.", Manufacturer_Part_Number=TPSM863252RDXR, RefDes=RefDes, Type=TYPE
U2: "Description", Manufacturer_Name=MORNSUN, Copyright="Copyright (C) 2026 Ultra Librarian. All rights reserved.", Manufacturer_Part_Number=B0505S-2WR3, RefDes=RefDes, Type="DC DC Converters"
U4: "LDO Voltage Regulators Adjustable- and fixed-output, 1-A, 16-V, positive-voltage low-dropout (LDO) linear regulator 8-HVSSOP -40 to 125", Manufacturer_Name="Texas Instruments", Mouser Part Number=595-TLV76750DGNR, Datasheet Link=https://www.ti.com/lit/gpn/tlv767, Geometry.Height=1.1mm, Manufacturer_Part_Number=TLV76750DGNR, Mouser Price/Stock=https://www.mouser.co.uk/ProductDetail/Texas-Instruments/TLV76750DGNR?qs=QNEnbhJQKvaJEVkWGWZhnw%3D%3D
U5 U6 U7 U8 U9 U10 U11 U12: "Logarithmic Converter, 105Deg C, Lga-Ep Rohs Compliant: Yes", Manufacturer Lifecycle Status=PRODUCTION, Manufacturer_Name="Analog Devices", Supplier Part Number=505-ADL5308ACCZ-ND, Category="Integrated Circuits (ICs)", ComponentLink1Description=https://octopart.com:443/opatz8j6/c1?t=RA9GQZinOd29-lgehR1mMjPVps_pwNRaRgVV1YHzAIV5tl_XZCUSSAHitgBUBAYOkyHWZwhmuKnJMJd5RxR1VqE6m3xnviegrgL6shNBcrpF4LfPbYQ25RAGHFA1T9s0JOT-tl-QhPVPfLuNoqTz_6GGuiJfIxRC0S7r0DYLo04TjJESfYEQgeF8hwJXvZVADboypZr_g-Ea1XOnqBF-rgke93XuIMELyUETblR1X_UOadx82_PQ_RlLZBBqxzR00efRp-5niCJZslCBmJMmtGL_WYk9XjRWZNLGIjLbjTB1vQWuYu6Ttro&src-supplier=Analog+Devices, ComponentLink1URL=https://octopart.com:443/opatz8j6/c1?t=RA9GQZinOd29-lgehR1mMjPVps_pwNRaRgVV1YHzAIV5tl_XZCUSSAHitgBUBAYOkyHWZwhmuKnJMJd5RxR1VqE6m3xnviegrgL6shNBcrpF4LfPbYQ25RAGHFA1T9s0JOT-tl-QhPVPfLuNoqTz_6GGuiJfIxRC0S7r0DYLo04TjJESfYEQgeF8hwJXvZVADboypZr_g-Ea1XOnqBF-rgke93XuIMELyUETblR1X_UOadx82_PQ_RlLZBBqxzR00efRp-5niCJZslCBmJMmtGL_WYk9XjRWZNLGIjLbjTB1vQWuYu6Ttro&src-supplier=Analog+Devices, ComponentLink2Description=http://sigma.octopart.com:80/conflict_mineral_statement/Analog-Devices-company-33.pdf?src-supplier=Compliance+Statements, ComponentLink2URL=http://sigma.octopart.com:80/conflict_mineral_statement/Analog-Devices-company-33.pdf?src-supplier=Compliance+Statements, ComponentLink3Description=https://octopart.com:443/opatz8j6/c1?t=vRyEE9f1knuZsXfZ1EXV0igJkx_-mJPvDe2PRj94G0bMKfSINrZLJy9UxvHag1Ev7-JZTv2yES3irMYFchBWTpWzSwFH9zvLS0b9JOrPs9Pp2SMp_5VkKg4D-b9XM9N4Wk1jNVgkSgkhW8YH7ZyvkiIcKE_oeD_Hqil2BcqMABFddqLYAoPEQj49TJ_q7pMpzWSP-EVr2GWpI1kmAhJOGILngaZVyGxqQjwZ-ZoOI0z0mJCfXwlyMjB28ReNlNurs-8EToiXecBFaJGtKdUbF4KCBm4bpE5gucx16B8aD2Bl3eu5--byB1E&src-supplier=Compliance+Statements, ComponentLink3URL=https://octopart.com:443/opatz8j6/c1?t=vRyEE9f1knuZsXfZ1EXV0igJkx_-mJPvDe2PRj94G0bMKfSINrZLJy9UxvHag1Ev7-JZTv2yES3irMYFchBWTpWzSwFH9zvLS0b9JOrPs9Pp2SMp_5VkKg4D-b9XM9N4Wk1jNVgkSgkhW8YH7ZyvkiIcKE_oeD_Hqil2BcqMABFddqLYAoPEQj49TJ_q7pMpzWSP-EVr2GWpI1kmAhJOGILngaZVyGxqQjwZ-ZoOI0z0mJCfXwlyMjB28ReNlNurs-8EToiXecBFaJGtKdUbF4KCBm4bpE5gucx16B8aD2Bl3eu5--byB1E&src-supplier=Compliance+Statements, Lifecycle Status=Production, Manufacturer Part Number=ADL5308ACCZ, Pricing="1=24,27, 10=19,468, 25=18,2692, 100=16,9519, 250=16,324, 500=15,94544 (USD)", Stock=109, Supplier=DigiKey, Supplier 1=DigiKey, Supplier Part Number 1=505-ADL5308ACCZ-ND
U13: "Analog to Digital Converters - ADC Eight-channel, 250-kSPS, 16-bit analog-to-digital converter with internal reference, GPIOs and SPI 16-WQFN -40 to 125", Manufacturer_Name="Texas Instruments", Mouser Part Number=595-ADS7066IRTER, Arrow Part Number=ADS7066IRTER, Arrow Price/Stock=https://www.arrow.com/en/products/ads7066irter/texas-instruments.html?utm_currency=USD&region=nac, Datasheet Link=https://www.ti.com/lit/ds/symlink/ads7066.pdf?ts=1708383444470&ref_url=https%253A%252F%252Fwww.ti.com%252Fproduct%252FADS7066%253Futm_source%253Dgoogle%2526utm_medium%253Dcpc%2526utm_campaign%253Dasc-null-null-GPN_EN-cpc-pf-google-wwe%2526utm_content%253D, Geometry.Height=0.8mm, Manufacturer_Part_Number=ADS7066IRTER, Mouser Price/Stock=https://www.mouser.co.uk/ProductDetail/Texas-Instruments/ADS7066IRTER?qs=ST9lo4GX8V1NXvZuWWBhPA%3D%3D
U14: "Robust EMC, six-channel, 4/2, reinforced digital isolator 16-SSOP -55 to 125", Manufacturer_Name="Texas Instruments", Copyright="Copyright (C) 2025 Ultra Librarian. All rights reserved.", Manufacturer_Part_Number=ISO7762FDBQR, RefDes=RefDes, Type=TYPE
U15: "8-channel 2.3- to 5.5-V I2C/SMBus switch with reset & voltage translation 24-TVSOP -40 to 85", Manufacturer_Name="Texas Instruments", Copyright="Copyright (C) 2026 Ultra Librarian. All rights reserved.", Manufacturer_Part_Number=PCA9548ADGVR, RefDes=RefDes, Type=Type
U16: "Hot-swappable, robust-EMC bidirectional I2C isolator with bidirectional clock 8-SOIC -40 to 125", Manufacturer_Name="Texas Instruments", Copyright="Copyright (C) 2026 Ultra Librarian. All rights reserved.", Manufacturer_Part_Number=ISO1640BDR, RefDes=RefDes, Type=TYPE
U17: "The Raspberry Pi 4 Model B SC0194(9) single board computer features a Broadcom BCM2711 ARM Cortex-A72 quad-core processor operating at 1.5GHz, making it a powerful choice for embedded computing applications. Equipped with 4GB of RAM and a variety of conne", Package=None, Check_prices=https://www.snapeda.com/parts/SC0194(9)/Raspberry+Pi/view-part/?ref=eda, MF="Raspberry Pi", MP=SC0194(9), SnapEDA_Link=https://www.snapeda.com/parts/SC0194(9)/Raspberry+Pi/view-part/?ref=snap

## Free pads (board coordinates)
  round 3.6 hole 2.7 unplated: 1(3.5,3.5) 1(3.5,52.5) 1(61.5,3.5) 1(61.5,52.5)

## Nets (pads, with @x,y where several pads share a name; then routed paths per layer and width w, separated by ;. In a path a pad name is that pad's centre, name@x,y a point inside that pad or via, vN(x,y) a via of type N, cw(c..) or ccw(c..) an arc to the next point about the centre after c; other vN are vias at no path point)
+3V3RB: C35.2 C38.2 C41.2 C43.2 R43.1 R44.1 U14.1 U16.8 U17.1 U17.17
+5V: C1.2 C2.2 C5.2 C6.2 R1.1 U1.3 U2.1
+5V_ISO: C7.2 C8.2 C10.2 C36.2 C37.2 C42.2 L1.1 L2.1 L3.1 L4.1 L5.1 L6.1 L7.1 L8.1 L9.1 R40.1 R41.1 R42.1 U4.5 U4.8 U15.24 U16.1
+5V_ISO_AN1: C13.2 C14.2 L2.2 R7.1 R8.1 U5.13
+5V_ISO_AN2: C15.2 C16.2 L3.2 R9.1 R10.1 U6.13
+5V_ISO_AN3: C17.2 C19.2 L4.2 R15.1 R16.1 U7.13
+5V_ISO_AN4: C18.2 C20.2 L5.2 R17.1 R18.1 U8.13
+5V_ISO_AN5: C21.2 C23.2 L6.2 R23.1 R24.1 U9.13
+5V_ISO_AN6: C22.2 C24.2 L7.2 R25.1 R26.1 U10.13
+5V_ISO_AN7: C26.2 C28.2 L9.2 R31.1 R32.1 U11.13
+5V_ISO_AN8: C25.2 C27.2 L8.2 R33.1 R34.1 U12.13
+5V_ISO_LDO: C12.2 C29.2 C30.2 C31.2 C32.2 C34.2 C39.2 C40.2 R39.1 U4.1 U4.2 U13.7 U13.10 U14.16
ADC_CS_ISO: R39.2 U13.11 U14.13
ADC_SCLK_ISO: U13.13 U14.14
ADC_SDI_ISO: U13.14 U14.15
ADC_SDO_ISO: R4.2 U14.11
GND: C1.1 C2.1 C3.1 C4.1 C5.1 C6.1 CN1.2 R2.2 U1.4 U2.2
GND2: C7.1 C8.1 C9.1 C10.1 C11.1 C12.1 C13.1 C14.1 C15.1 C16.1 C17.1 C18.1 C19.1 C20.1 C21.1 C22.1 C23.1 C24.1 C25.1 C26.1 C27.1 C28.1 C29.1 C30.1 C31.1 C32.1 C33.1 C34.1 C36.1 C37.1 C39.1 C40.1 C42.1 R13.2 R14.2 R21.2 R22.2 R29.2 R30.2 R37.2 R38.2 U2.4 U4.4 U4.6 U4.9 U5.9 U5.16 U6.9 U6.16 U7.9 U7.16 U8.9 U8.16 U9.9 U9.16 U10.9 U10.16 U11.9 U11.16 U12.9 U12.16 U13.9 U13.17 U14.9 U15.1 U15.2 U15.12 U15.21 U16.4
GNDRB: C35.1 C38.1 C41.1 C43.1 U14.8 U16.5 U17.6 U17.9 U17.14 U17.20 U17.25 U17.30 U17.34 U17.39 U17.S1 U17.S2 U17.S3 U17.S4
NetC3_2: C3.2 C4.2 D1.1 U1.1 U1.6
NetC9_2: C9.2 C11.2 L1.2 U2.6
NetC33_2: C33.2 U13.8
NetD2_2: U6.14
NetD2_3: U6.2
NetD3_2: U7.14
NetD3_3: U7.2
NetD4_2: U8.14
NetD4_3: U8.2
NetD5_2: U9.14
NetD5_3: U9.2
NetD6_2: U10.14
NetD6_3: U10.2
NetD7_2: U11.14
NetD7_3: U11.2
NetD8_2: U12.14
NetD8_3: U12.2
NetD_2: U5.14
NetD_3: U5.2
NetR1_2: R1.2 R2.1 U1.7
NetR4_1: R4.1 U13.12
NetR6_2: R6.2 U17.19
NetR7_2: R7.2 U5.6 U15.5
NetR8_2: R8.2 U5.5 U15.4
NetR9_2: R9.2 U6.6 U15.7
NetR10_2: R10.2 U6.5 U15.6
NetR11_1: R11.1 U5.10 U13.16
NetR11_2: R11.2 R13.1 U5.11
NetR12_1: R12.1 U6.10 U13.15
NetR12_2: R12.2 R14.1 U6.11
NetR15_2: R15.2 U7.6 U15.9
NetR16_2: R16.2 U7.5 U15.8
NetR17_2: R17.2 U8.6 U15.11
NetR18_2: R18.2 U8.5 U15.10
NetR19_1: R19.1 U7.10 U13.1
NetR19_2: R19.2 R21.1 U7.11
NetR20_1: R20.1 U8.10 U13.2
NetR20_2: R20.2 R22.1 U8.11
NetR23_2: R23.2 U9.6 U15.14
NetR24_2: R24.2 U9.5 U15.13
NetR25_2: R25.2 U10.6 U15.16
NetR26_2: R26.2 U10.5 U15.15
NetR27_1: R27.1 U9.10 U13.3
NetR27_2: R27.2 R29.1 U9.11
NetR28_1: R28.1 U10.10 U13.4
NetR28_2: R28.2 R30.1 U10.11
NetR31_2: R31.2 U11.6 U15.18
NetR32_2: R32.2 U11.5 U15.17
NetR33_2: R33.2 U12.6 U15.20
NetR34_2: R34.2 U12.5 U15.19
NetR35_1: R35.1 U11.10 U13.5
NetR35_2: R35.2 R37.1 U11.11
NetR36_1: R36.1 U12.10 U13.6
NetR36_2: R36.2 R38.1 U12.11
NetR40_2: R40.2 U15.3
NetR45_2: R45.2 U17.23
NetU5_1: U5.1 U5.4 U5.15
NetU6_1: U6.1 U6.4 U6.15
NetU7_1: U7.1 U7.4 U7.15
NetU8_1: U8.1 U8.4 U8.15
NetU9_1: U9.1 U9.4 U9.15
NetU10_1: U10.1 U10.4 U10.15
NetU11_1: U11.1 U11.4 U11.15
NetU12_1: U12.1 U12.4 U12.15
PCA_SCL_ISO: R42.2 U15.22 U16.3
PCA_SDA_ISO: R41.2 U15.23 U16.2
RPI_I2C_SCL: R44.2 U16.6 U17.5
RPI_I2C_SDA: R43.2 U16.7 U17.3
RPI_SPI_CS0: U14.4 U17.24
RPI_SPI_MISO: U14.6 U17.21
RPI_SPI_MOSI: R6.1 U14.2
RPI_SPI_SCLK: R45.1 U14.3
VF: CN1.1 D1.2
pads on no net: CN1.3 U1.2 U1.5 U1.8 U1.9 U1.10 U1.11 U1.12 U1.13 U1.14 U1.15 U1.16 U1.17 U1.18 U1.19 U4.3 U4.7 U5.3 U5.7 U5.8 U5.12 U6.3 U6.7 U6.8 U6.12 U7.3 U7.7 U7.8 U7.12 U8.3 U8.7 U8.8 U8.12 U9.3 U9.7 U9.8 U9.12 U10.3 U10.7 U10.8 U10.12 U11.3 U11.7 U11.8 U11.12 U12.3 U12.7 U12.8 U12.12 U14.5 U14.7 U14.10 U14.12 U17.2 U17.4 U17.7 U17.8 U17.10 U17.11 U17.12 U17.13 U17.15 U17.16 U17.18 U17.22 U17.26 U17.27 U17.28 U17.29 U17.31 U17.32 U17.33 U17.35 U17.36 U17.37 U17.38 U17.40

## Polygon pours and split planes (outlines as drawn)
GND on Top Ref (split plane): 62.217,55.482 62.433,55.454 62.645,55.407 62.852,55.342 63.053,55.258 63.246,55.158 63.429,55.041 63.602,54.909 63.762,54.762 63.909,54.602 64.041,54.429 64.158,54.246 64.258,54.053 64.342,53.852 64.407,53.645 64.454,53.433 64.482,53.217 64.491,53.016 64.49,53 64.49,3 64.491,2.984 64.482,2.783 64.454,2.567 64.407,2.355 64.342,2.148 64.258,1.947 64.158,1.754 64.041,1.571 63.909,1.398 63.762,1.238 63.602,1.091 63.429,0.959 63.246,0.842 63.053,0.742 62.852,0.658 62.645,0.593 62.433,0.546 62.217,0.518 62.016,0.509 62,0.51 3,0.51 2.984,0.509 2.783,0.518 2.567,0.546 2.355,0.593 2.148,0.658 1.947,0.742 1.754,0.842 1.571,0.959 1.398,1.091 1.238,1.238 1.091,1.398 0.959,1.571 0.842,1.754 0.742,1.947 0.658,2.148 0.593,2.355 0.546,2.567 0.518,2.783 0.509,2.984 0.51,3 0.51,53 0.509,53.016 0.518,53.217 0.546,53.433 0.593,53.645 0.658,53.852 0.742,54.053 0.842,54.246 0.959,54.429 1.091,54.602 1.238,54.762 1.398,54.909 1.571,55.041 1.754,55.158 1.947,55.258 2.148,55.342 2.355,55.407 2.567,55.454 2.783,55.482 2.984,55.491 3,55.49 62,55.49 62.016,55.491
GND on Bottom Ref (split plane): 62.217,55.482 62.433,55.454 62.645,55.407 62.852,55.342 63.053,55.258 63.246,55.158 63.429,55.041 63.602,54.909 63.762,54.762 63.909,54.602 64.041,54.429 64.158,54.246 64.258,54.053 64.342,53.852 64.407,53.645 64.454,53.433 64.482,53.217 64.491,53.016 64.49,53 64.49,3 64.491,2.984 64.482,2.783 64.454,2.567 64.407,2.355 64.342,2.148 64.258,1.947 64.158,1.754 64.041,1.571 63.909,1.398 63.762,1.238 63.602,1.091 63.429,0.959 63.246,0.842 63.053,0.742 62.852,0.658 62.645,0.593 62.433,0.546 62.217,0.518 62.016,0.509 62,0.51 3,0.51 2.984,0.509 2.783,0.518 2.567,0.546 2.355,0.593 2.148,0.658 1.947,0.742 1.754,0.842 1.571,0.959 1.398,1.091 1.238,1.238 1.091,1.398 0.959,1.571 0.842,1.754 0.742,1.947 0.658,2.148 0.593,2.355 0.546,2.567 0.518,2.783 0.509,2.984 0.51,3 0.51,53 0.509,53.016 0.518,53.217 0.546,53.433 0.593,53.645 0.658,53.852 0.742,54.053 0.842,54.246 0.959,54.429 1.091,54.602 1.238,54.762 1.398,54.909 1.571,55.041 1.754,55.158 1.947,55.258 2.148,55.342 2.355,55.407 2.567,55.454 2.783,55.482 2.984,55.491 3,55.49 62,55.49 62.016,55.491

## Silkscreen, mask and mechanical layers (free items; w line width, h text height)
Mechanical 1:
  the board outline again, w0.15